# Altium PCB 10515.0462_全联供主板_V1.0.PcbDoc (part 1 of 5)
Units mm, origin at the board's own origin, x right, y up, seen from the top; angles counter-clockwise.
Board outline 141 x 198 mm, 2 copper layers (Top Layer, Bottom Layer); 179 components, 149 nets, 591 pads, 450 vias.
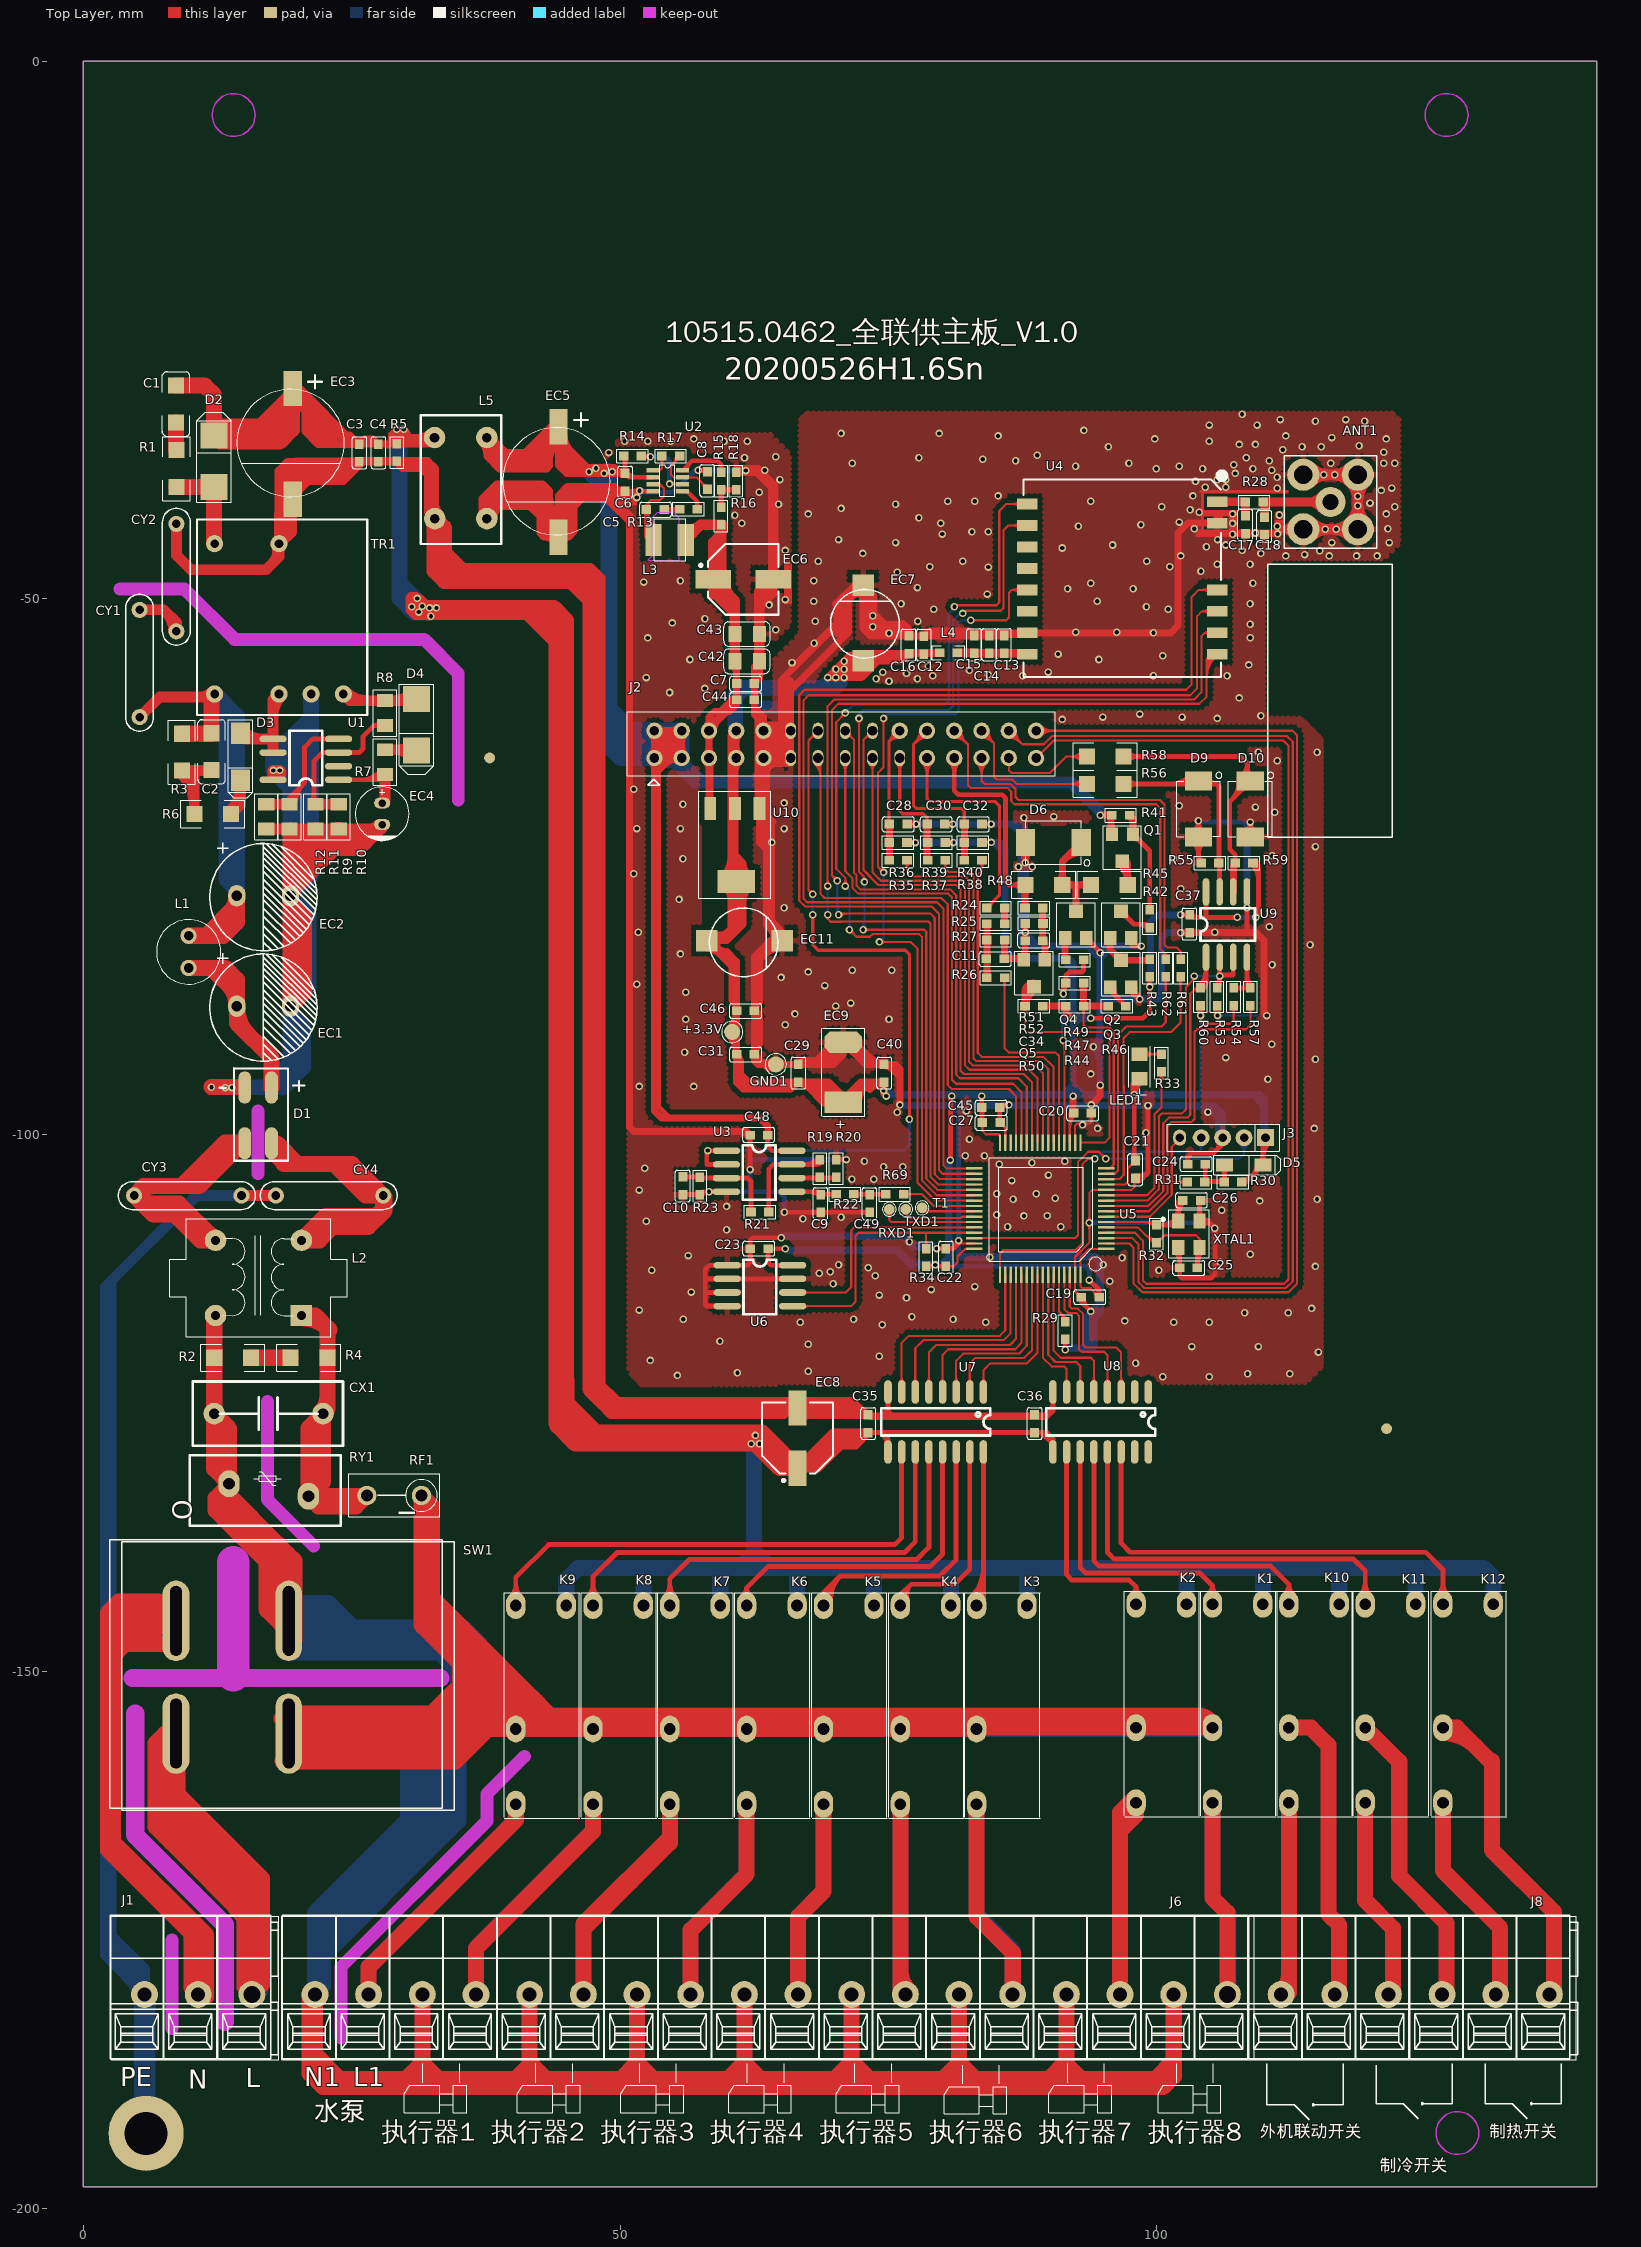
[diagram p0: Top Layer view]
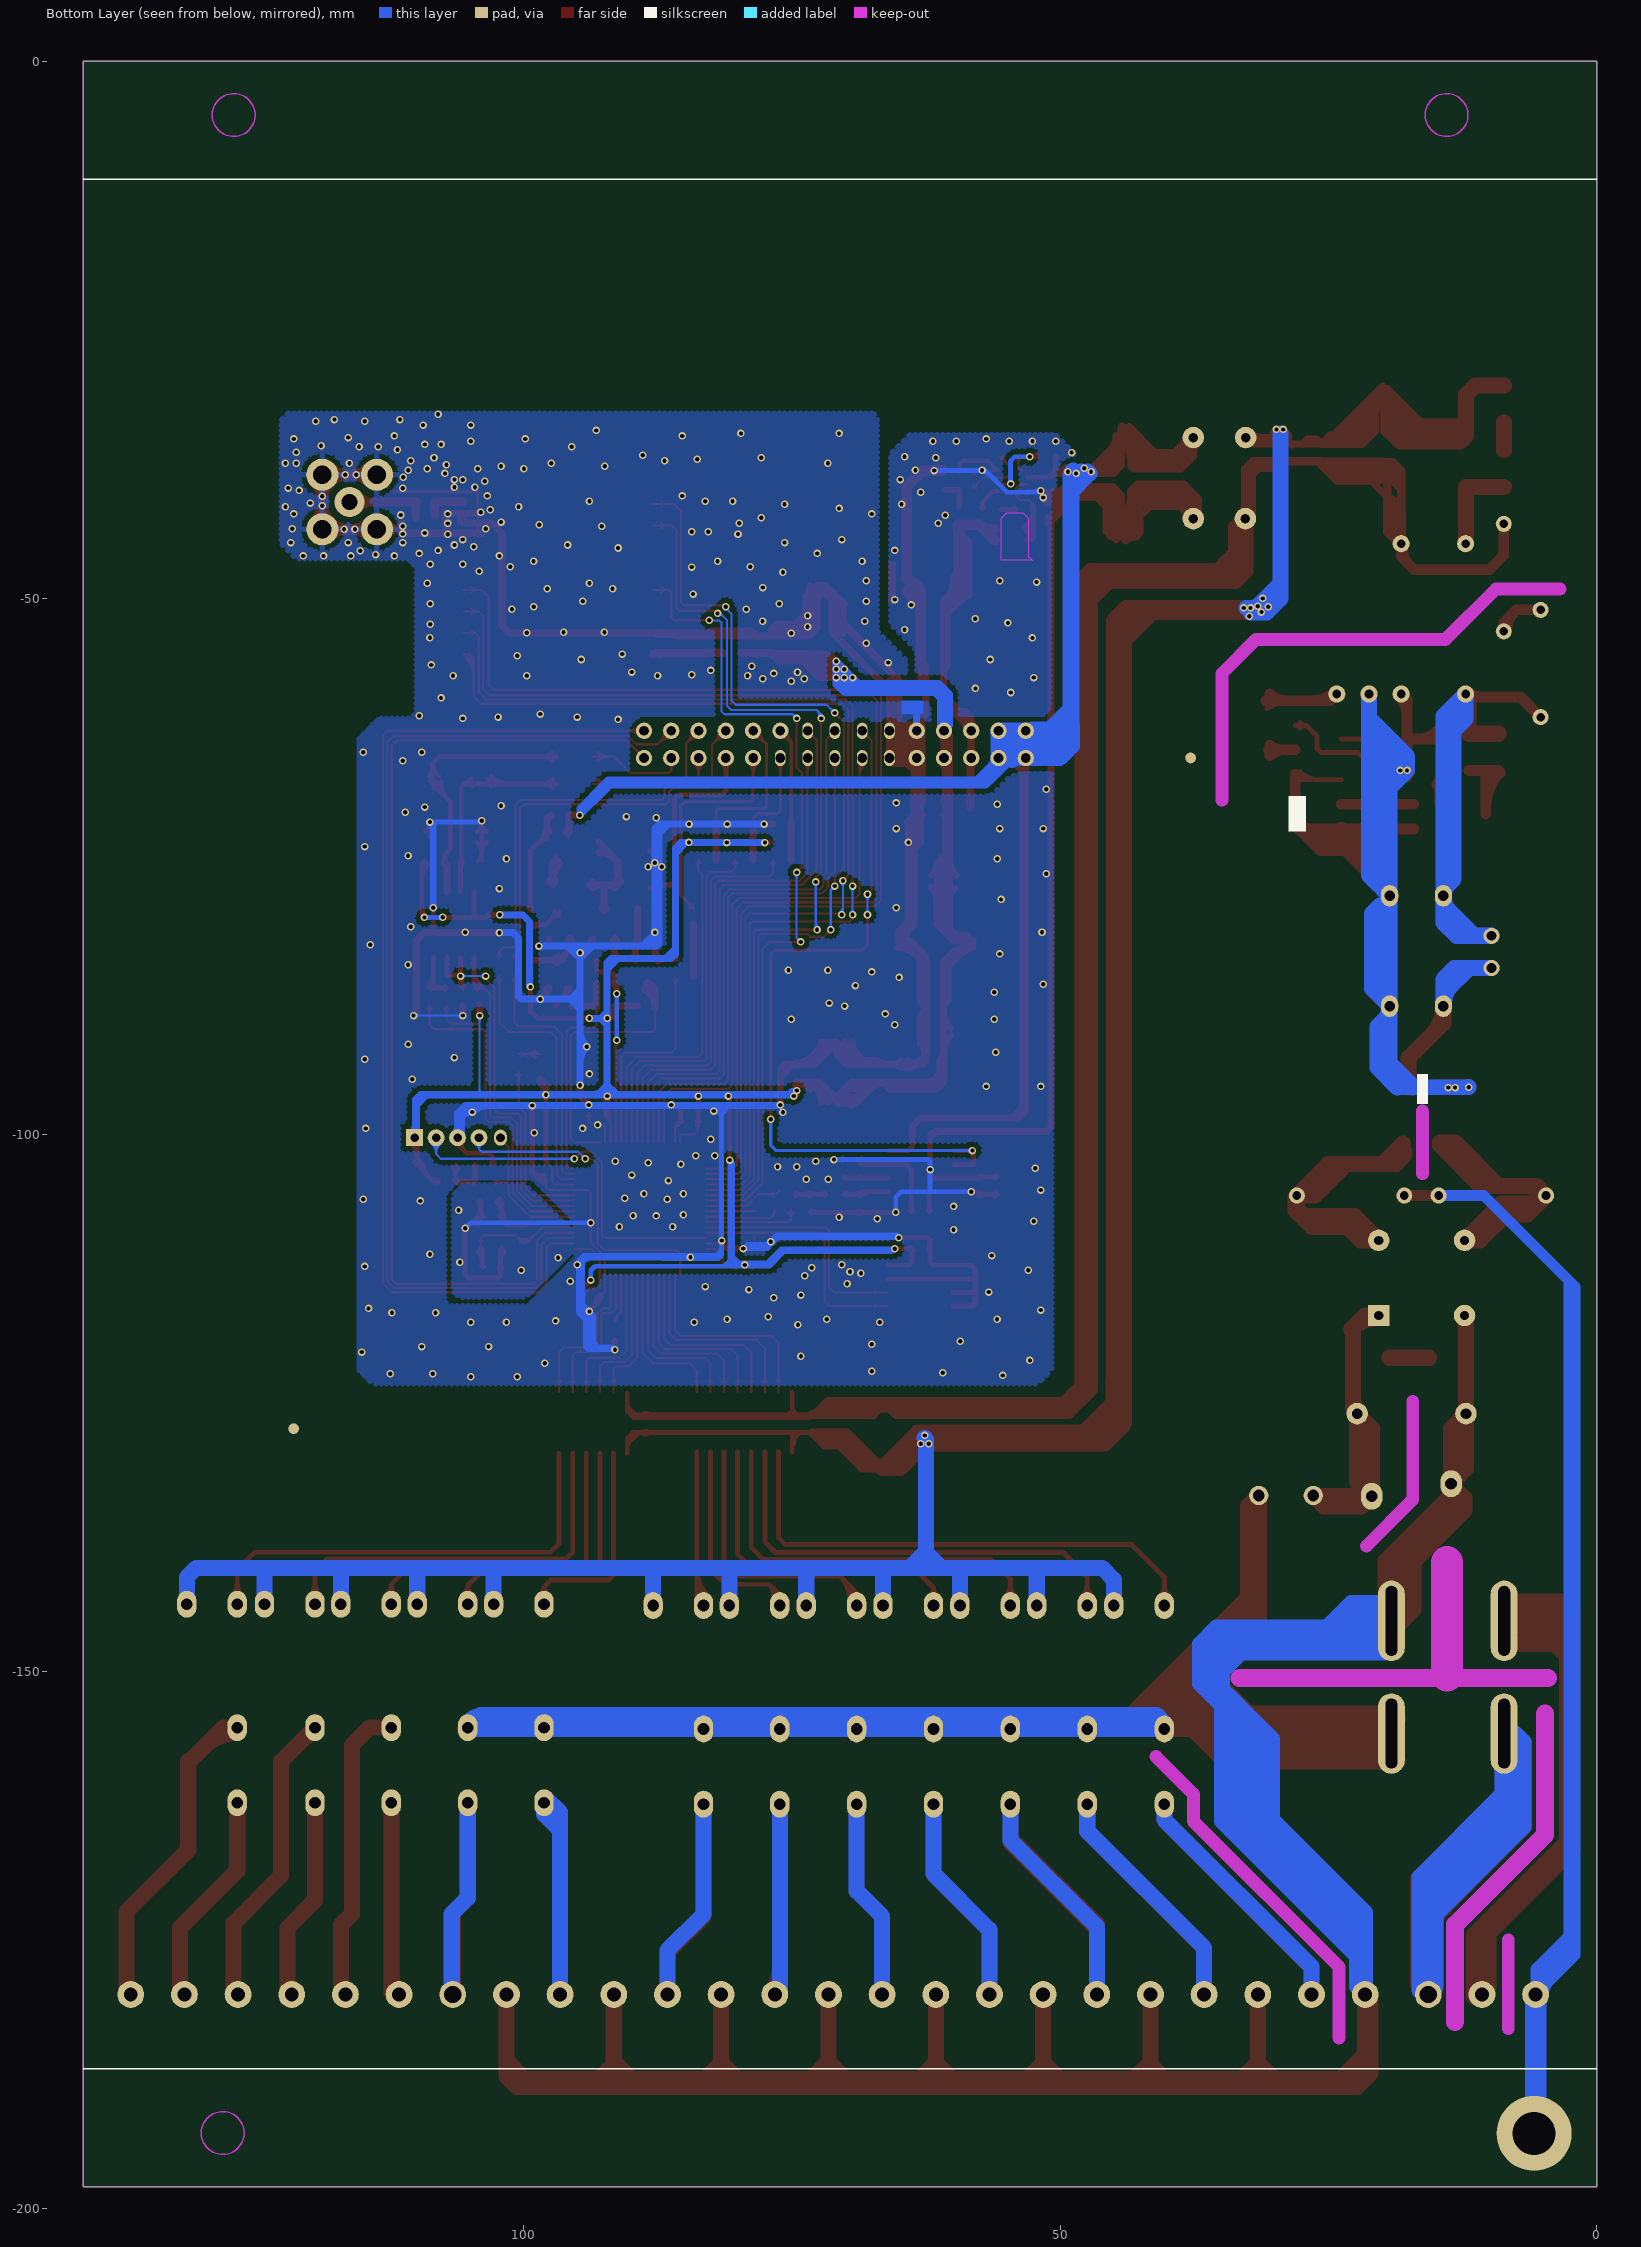
[diagram p1: Bottom Layer view, seen from below]
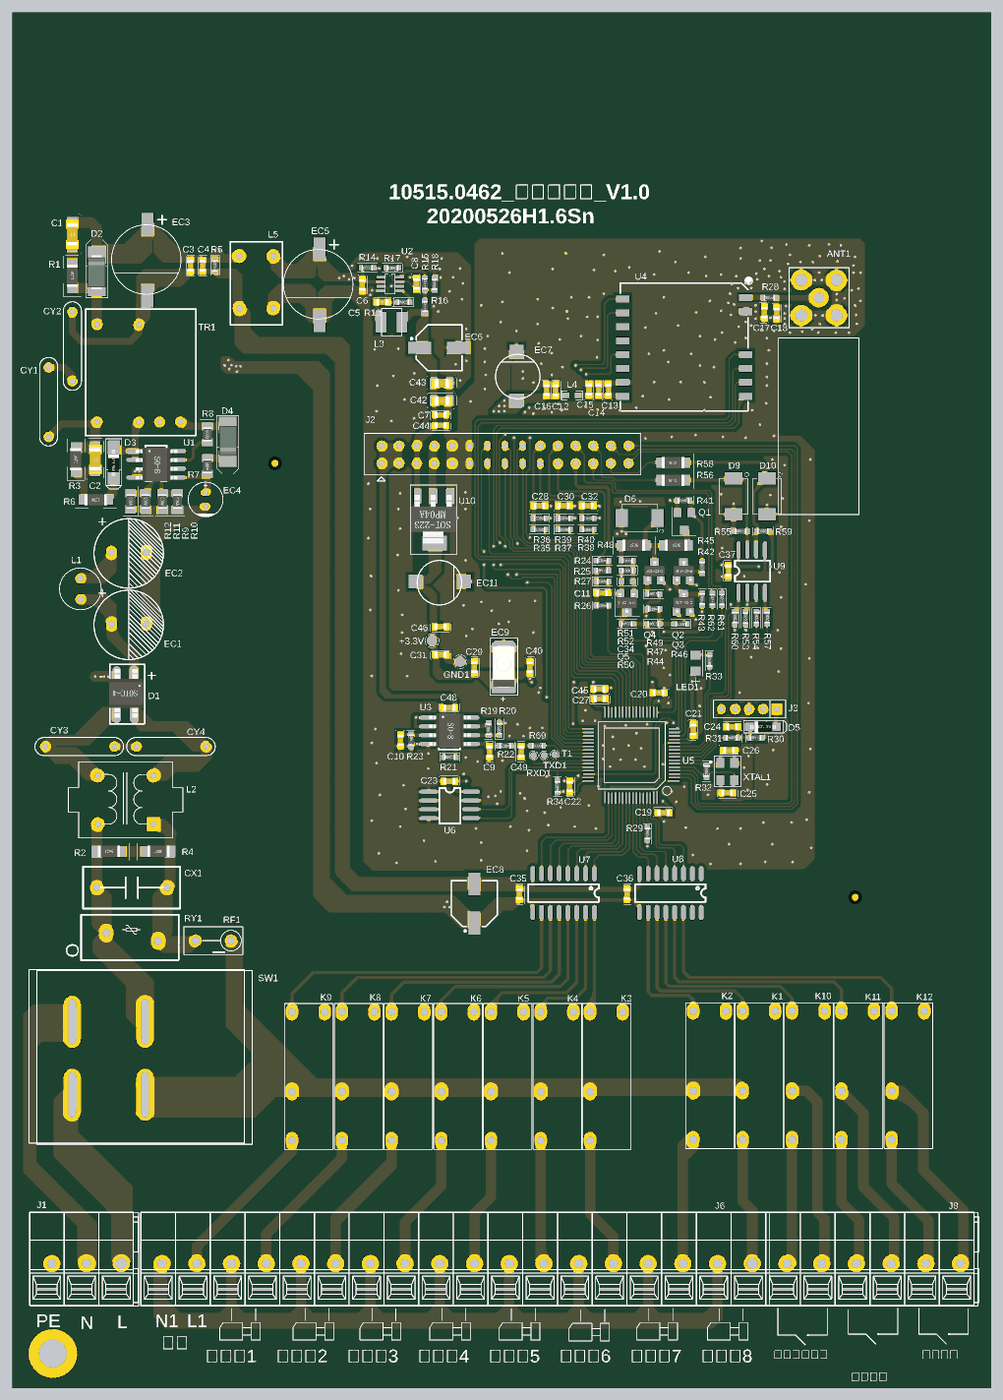
[diagram p6: 3D render of the assembled board from above, using the file's embedded part models]

## Layer stack, top to bottom
Top Layer: signal copper 0.0356
Dielectric: dielectric 0.32, FR-4, Dk 4.8
Bottom Layer: signal copper 0.0356

## Board outline
0,0 141,0 141,-198 0,-198 0,0

## Design rules (kind name [scope] priority, off if disabled: settings)
Clearance Clearance_1 [InPolygon] p1: gap=0.45
Clearance [All] p2: gap=0.2
HoleSize [All] p1 off: absolutevalues=TRUE maxlimit=2.54 minlimit=0.025 maxpercent=80.000 minpercent=20.000
HoleToHoleClearance [All] p1 off: gap=0.254 allowstackedmicrovias=TRUE
LayerPairs [All] p1 off: enforce=TRUE
MinimumSolderMaskSliver [All] p1 off: minsoldermaskwidth=0.254
NetAntennae [All] p1 off: netantennaetolerance=0
PolygonConnect PolygonConnect_1 [IsVia] p1: connectstyle=Direct reliefconductorwidth=0.254 reliefentries=4 polygonreliefangle="90 Angle"
PolygonConnect [All] p2: connectstyle=Relief reliefconductorwidth=0.5 reliefentries=4 polygonreliefangle="90 Angle"
RoutingVias [All] p1: holewidth=0.711 width=1.27 viastyle="Through Hole" minholewidth=0.711 minwidth=1.27 maxholewidth=0.711 maxwidth=1.27
SilkToSilkClearance [All] p1 off: silktosilkclearance=0.254
SilkscreenOverComponentPads [All] p1 off: minsilkscreentomaskgap=0.254
SolderMaskExpansion [All] p1: expansion=0.102
Width [All] p1: maxlimit=3 minlimit=0.2 preferedwidth=0.45
21 further rules are at their usual default settings.

## Classes and differential pairs
component class Rs485_Bus_Interface: C37 D8 D9 D10 R53 R54 R55 R56 R57 R58 R59 R60 U9
component class Relay_Out_Interface: C28 C35 EC8 J2 J6 J8 K1 K2 K3 K4 K5 K6 K7 K8 K9 K10 K11 K12 K? U7 U8
component class OneWireBus_Interface: C34 D6 Q1 Q2 Q3 Q4 Q5 R41 R42 R43 R44 R45 R46 R47 R48 R49 R50 R51 R52
component class Mcu_Control_Interface: +3.3V C19 C20 C21 C22 C23 C24 C25 C26 C27 C28 C30 C32 C40 D5 EC9 GND1 J3 LED1 LINKAGE_COOLB R29 R30 R31 R32 R33 R34 R35 R36 R37 R38 R39 R40 R61 R62 RXD1 T1 TXD1 U5 U6 XTAL1
component class LSD4RF_2F717N30_Interface: ANT1 C12 C13 C14 C15 C16 C17 C18 EC7 L3 R28 U3
component class DisPlay_Switch_Interface: C9 C10 C11 C48 C49 R19 R20 R21 R22 R23 R24 R25 R26 R27 R69 U3
component class "220V-12V Power_Interface": C1 C2 C3 C4 C5 C6 C7 C8 C29 C31 C42 C43 C44 C45 C46 CX1 CY1 CY2 CY3 CY4 D1 D2 D3 D4 EC1 EC2 EC3 EC4 EC5 EC6 EC11 J1 L1 L2 L3 L5 R1 R2 R3 R4 R5 R6 R7 R8 R9 R10 R11 R12 R13 R14 R15 R16 R17 R18 RF1 RY1 SW1 TR1 U1 U2 U10

## Components (designator, comment, footprint, x,y, rotation, side; value= is the part's Value field where it differs from the comment)
+3.3V "OTHER/TEST" TEST#1 60.452,-90.424 r90 top (schematic designator VCC1)
ANT1 "SMA座" SMA 116.194,-41.055 r180 top
C1 "1nF/630V" CAP/SMT/1206C 8.67,-33.666 r90 top
C2 "1nF/630V" CAP/SMT/1206C 11.972,-66.051 r90 top
C3 "1uF/0603" CAP/SMT/0603C 25.654,-35.687 r270 top
C4 "0.1uF/0603" CAP/SMT/0603C 27.432,-35.687 r270 top
C5 "0.1uF/0603" CAP/SMT/0603C 54.088,-41.695 r180 top
C6 "0.1uF/0603" CAP/SMT/0603C 50.405,-38.416 r270 top
C7 "0.1uF/0603" CAP/SMT/0603C 62.484,-57.912 r180 top
C8 "1nF/0603" CAP/SMT/0603C 58.202,-39.844 r90 top
C9 "10uF/0603" CAP/SMT/0603C 68.741,-107.199 r90 top
C10 "0.1uF/0603" CAP/SMT/0603C 55.914,-105.555 r90 top
C11 "0.1uF/0603" CAP/SMT/0603C 85.749,-83.55 r180 top
C12 "1uF/0603" CAP/SMT/0603C 78.232,-53.594 r270 top
C13 "0.1uF/0603" CAP/SMT/0603C 85.852,-55.118 r90 top
C14 "0.1uF/0603" CAP/SMT/0603C 84.455,-55.118 r90 top
C15 "1uF/0603" CAP/SMT/0603C 83.058,-55.118 r90 top
C16 "0.1uF/0603" CAP/SMT/0603C 76.962,-55.149 r90 top
C17 "NC" CAP/SMT/0603C 108.32,-43.976 r90 top
C18 "NC" CAP/SMT/0603C 110.098,-44.103 r90 top
C19 "0.1uF/0603" CAP/SMT/0603C 92.998,-115.2 r0 top
C20 "0.1uF/0603" CAP/SMT/0603C 93.887,-97.928 r180 top
C21 "0.1uF/0603" CAP/SMT/0603C 98.078,-104.024 r90 top
C22 "0.1uF/0603" CAP/SMT/0603C 80.298,-110.628 r270 top
C23 "0.1uF/0603" CAP/SMT/0603C 62.162,-110.678 r0 top
C24 "0.1uF/0603" CAP/SMT/0603C 102.897,-102.811 r0 top
C25 "20pF/0603" CAP/SMT/0603C 103.769,-112.333 r180 top
C26 "20pF/0603" CAP/SMT/0603C 102.466,-106.176 r0 top
C27 "0.1uF/0603" CAP/SMT/0603C 85.378,-98.817 r180 top
C28 "0.1uF/0603" CAP/SMT/0603C 76.712,-71.004 r180 top
C29 "0.1uF/0603" CAP/SMT/0603C 66.548,-93.472 r270 top
C30 "0.1uF/0603" CAP/SMT/0603C 80.227,-71.004 r180 top
C31 "0.1uF/0603" CAP/SMT/0603C 62.484,-92.456 r180 top
C32 "0.1uF/0603" CAP/SMT/0603C 83.697,-71.004 r180 top
C34 "51pF" CAP/SMT/0603C 87.775,-81.966 r0 top
C35 "0.1uF/0603" CAP/SMT/0603C 73.059,-126.122 r270 top
C36 "0.1uF/0603" CAP/SMT/0603C 88.553,-126.122 r270 top
C37 "0.1uF/0603" CAP/SMT/0603C 103.124,-81.145 r90 top
C40 "1uF/0603" CAP/SMT/0603C 74.549,-93.472 r270 top
C42 "22uF/0805" CAP/SMT/0805C 62.992,-55.88 r180 top
C43 "22uF/0805" CAP/SMT/0805C 62.992,-53.34 r180 top
C44 "0.1uF/0603" CAP/SMT/0603C 62.484,-59.436 r180 top
C45 "0.1uF/0603" CAP/SMT/0603C 85.344,-97.409 r180 top
C46 "0.1uF/0603" CAP/SMT/0603C 62.484,-88.392 r180 top
C48 "0.1uF/0603" CAP/SMT/0603C 62.137,-100.087 r0 top
C49 "10uF/0603" CAP/SMT/0603C 73.313,-107.199 r90 top
CX1 "NC" CAP/DIP/0.1uF/250V 12.192,-125.984 r180 top
CY1 "222M/250V" CAP/DIP/102M/250V 5.241,-61.098 r90 top
CY2 "222M/250V" CAP/DIP/102M/250V 8.67,-53.097 r90 top
CY3 "NC" CAP/DIP/102M/250V 14.732,-105.664 r180 top
CY4 "NC" CAP/DIP/102M/250V 27.94,-105.664 r180 top
D1 "MB10S" D/SMT/MD6S-TR 16.29,-98.055 r90 top
D2 "SS210" D/SMT/DO-214AC 12.226,-39.635 r270 top
D3 "1N4007-SOD123" D/SMT/SOD123 14.639,-67.194 r90 top
D4 "F7" D/SMT/DO-214AC 30.988,-59.436 r90 top
D5 "1N4148/SOD-123" D/SMT/SOD-123 108.104,-102.811 r180 top
D6 "SMAJ13CA" D/SMT/SMBJ4.0A 87.884,-72.517 r0 top
D9 "SMBJ6.5A/SOCAY" D/SMT/SMBJ4.0A 103.632,-72.136 r90 top
D10 "SMBJ6.5A/SOCAY" D/SMT/SMBJ4.0A 108.458,-72.136 r90 top
EC1 "8.2uF/400V" CAP/DIP/6.8UF/400V/10MM 16.798,-88.022 r270 top
EC2 "8.2uF/400V" CAP/DIP/6.8UF/400V/10MM 16.798,-77.735 r270 top
EC3 "330uF/50V" CAP/SMT/220UF/50V 24.511,-30.48 r270 top
EC4 "10uF/50V" CAP/DIP/10uF/50V 27.847,-69.099 r270 top
EC5 "220uF/50V" CAP/SMT/220UF/50V 49.276,-34.036 r270 top
EC6 "220uF/16V" CAP/SMT/220UF/16V 61.468,-48.26 r0 top
EC7 "330uF/6.3V" CAP/SMT/330UF/6.3V 72.644,-55.88 r90 top
EC8 "100uF/50V" CAP/SMT/220UF/16V 66.548,-128.27 r90 top
EC9 "TEC/47uF/10V" CAP/SMT/TAJC476M010RNJ 70.612,-97.028 r90 top
EC11 "100uF/25V" CAP/SMT/100UF/25V 58.42,-81.788 r0 top
GND1 "OTHER/TEST" TEST#1 64.516,-93.447 r270 top
J1 "WJ103-5.0" CON/DIP/1×3PIN/5.0MM/WJ103-3P 10.702,-180.097 r180 top
J2 "CON/DIP/2X15PIN" CON/DIP/2X15PIN/2.54MM 53.202,-64.908 r90 top
J3 "1X5PIN_2MM" CON/DIP/1×5PIN/2.0MM 110.136,-100.271 r180 top
J6 "WJ103-5.0" CON/DIP/1×18PIN/5.0MM/WJ103-18P 66.582,-180.097 r180 top
J8 "WJ103-5.0" CON/DIP/1×6PIN/5.0MM/WJ103-6P 124.084,-180.097 r180 top
K1 "HF46F/024-HS1T" RELAY/HF46F-012-HSIT 109.889,-143.738 r0 top
K2 "HF46F/024-HS1T" RELAY/HF46F-012-HSIT 102.777,-143.738 r0 top
K3 "HF46F/024-HS1T" RELAY/HF46F-012-HSIT 87.918,-143.865 r0 top
K4 "HF46F/024-HS1T" RELAY/HF46F-012-HSIT 80.816,-143.865 r0 top
K5 "HF46F/024-HS1T" RELAY/HF46F-012-HSIT 73.656,-143.865 r0 top
K6 "HF46F/024-HS1T" RELAY/HF46F-012-HSIT 66.496,-143.865 r0 top
K7 "HF46F/024-HS1T" RELAY/HF46F-012-HSIT 59.337,-143.865 r0 top
K8 "HF46F/024-HS1T" RELAY/HF46F-012-HSIT 52.177,-143.865 r0 top
K9 "HF46F/024-HS1T" RELAY/HF46F-012-HSIT 44.992,-143.865 r0 top
K10 "HF46F/024-HS1T" RELAY/HF46F-012-HSIT 117.008,-143.738 r0 top
K11 "HF46F/024-HS1T" RELAY/HF46F-012-HSIT 124.12,-143.738 r0 top
K12 "HF46F/024-HS1T" RELAY/HF46F-012-HSIT 131.359,-143.738 r0 top
L1 "1mH" L/DIP/1mH 9.813,-84.466 r90 top
L2 "20mH/UU9.8" L/DIP/20mH/UU9.8 20.32,-116.84 r180 top
L3 "10UH" L/SMT/SWPA3015S150MT 52.945,-44.639 r0 top
L4 "L/10uH" L/SMT/0603L 81.407,-55.118 r180 top
L5 "100uH_共模电感" L/DIP/500uH 37.592,-35.052 r270 top
LED1 "BL-HG635A-TRB高亮绿" D/SMT/LED/0805 98.552,-92.456 r270 top
Q1 "BC807" BJT/SMT/SOT-23 97.79,-72.009 r180 top
Q2 "NPN_SS8050" BJT/SMT/SOT-23 95.665,-81.672 r0 top
Q3 "NPN_SS8050" BJT/SMT/SOT-23 95.665,-86.244 r0 top
Q4 "NPN_SS8050" BJT/SMT/SOT-23 91.474,-81.672 r0 top
Q5 "NPN_SS8050" BJT/SMT/SOT-23 89.569,-83.704 r180 top
R1 "47R/1206" 1206R 8.67,-39.635 r90 top
R2 "NC" 1206R 12.212,-120.777 r0 top
R3 "180K/5%/1206" 1206R 9.178,-66.051 r90 top
R4 "NC" 1206R 19.324,-120.777 r0 top
R5 "6.8K/0603" 0603R 29.21,-36.449 r90 top
R6 "100R/1206" 1206R 13.75,-70.115 r180 top
R7 "10R/0805" 0805R 28.101,-66.432 r90 top
R8 "20K/0805" 0805R 28.101,-61.86 r90 top
R9 "3.6K/0805" 0805R 21.624,-71.512 r90 top
R10 "NC" 0805R 23.783,-71.512 r90 top
R11 "1.8R/0805" 0805R 19.211,-71.512 r90 top
R12 "1.8R/0805" 0805R 17.052,-71.512 r90 top
R13 "20R/0603" 0603R 56.374,-41.718 r0 top
R14 "100K/0603" 0603R 51.167,-36.765 r0 top
R15 "51K/0603" 0603R 59.422,-39.092 r270 top
R16 "39K/0603" 0603R 59.422,-42.353 r270 top
R17 "100K/0603" 0603R 54.723,-36.765 r180 top
R18 "12K/0603" 0603R 60.819,-39.092 r90 top
R19 "100K/0603" 0603R 68.614,-103.135 r90 top
R20 "33K/0603" 0603R 70.138,-103.135 r270 top
R21 "100R/0603" 0603R 63.026,-107.199 r0 top
R22 "1K/0603" 0603R 70.963,-105.548 r180 top
R23 "100K/0603" 0603R 57.438,-104.786 r270 top
R24 "10K/0603" 0603R 84.997,-78.878 r180 top
R25 "10K/0603" 0603R 84.997,-80.332 r0 top
R26 "430R/0603" 0603R 84.997,-85.37 r180 top
R27 "10K/0603" 0603R 84.997,-81.856 r180 top
R28 "0R/0603" 0603R 109.082,-41.055 r0 top
R29 "10K/0603" 0603R 91.474,-118.248 r270 top
R30 "10K/0603" 0603R 107.095,-104.405 r0 top
R31 "430R/0603" 0603R 103.659,-104.405 r0 top
R32 "NC" 0603R 99.983,-109.231 r270 top
R33 "1K/0603" 0603R 100.437,-93.319 r90 top
R34 "10K/0603" 0603R 78.52,-111.431 r90 top
R35 "430R/0603" 0603R 75.909,-74.433 r180 top
R36 "10K/0603" 0603R 75.909,-72.782 r180 top
R37 "430R/0603" 0603R 79.472,-74.433 r180 top
R38 "430R/0603" 0603R 82.894,-74.433 r180 top
R39 "10K/0603" 0603R 79.472,-72.782 r180 top
R40 "10K/0603" 0603R 82.894,-72.782 r180 top
R41 "10K/0603" 0603R 96.647,-70.231 r180 top
R42 "10K/0603" 0603R 99.348,-79.883 r270 top
R43 "10K/0603" 0603R 99.348,-84.466 r270 top
R44 "10K/0603" 0603R 92.363,-88.022 r0 top
R45 "220R/5%/1206" 1206R 93.887,-76.719 r0 top
R46 "10K/0603" 0603R 96.3,-88.022 r180 top
R47 "10K/0603" 0603R 92.363,-85.863 r180 top
R48 "220R/5%/1206" 1206R 87.791,-76.719 r0 top
R49 "1K/0603" 0603R 92.363,-83.704 r0 top
R50 "10K/0603" 0603R 88.553,-88.022 r0 top
R51 "10K/0603" 0603R 88.553,-78.878 r180 top
R52 "1K/0603" 0603R 88.577,-80.315 r180 top
R53 "10K/0603" 0603R 104.078,-87.152 r270 top
R54 "10K/0603" 0603R 107.175,-87.152 r270 top
R55 "10K/0603" 0603R 104.967,-74.68 r0 top
R56 "10R/5%/1206" 1206R 96.901,-67.31 r180 top
R57 "100R/0603" 0603R 108.723,-87.152 r270 top
R58 "10R/5%/1206" 1206R 96.901,-64.77 r180 top
R59 "10K/0603" 0603R 108.142,-74.68 r0 top
R60 "10K/0603" 0603R 105.627,-87.152 r90 top
R61 "100R/0603" 0603R 102.235,-84.466 r90 top
R62 "100R/0603" 0603R 100.838,-84.466 r90 top
R69 "1K/0603" 0603R 75.599,-105.548 r180 top
RF1 "100R/2W" FUSE/3.15A 26.416,-133.604 r0 top
RXD1 "OTHER/TEST" TEST#2 75.091,-106.945 r270 top
RY1 "TDK471KD14" RES/RY/TDK471KD14 17.272,-133.096 r0 top
SW1 "船型开关" "DIP4 - DUPLICATE" 8.636,-145.288 r270 top
T1 "OTHER/TEST" TEST#2 78.139,-106.818 r180 top
TR1 "PN8370 24V 0.4A" "L/TRANS/DIP/PN8370 24V 0.4A" 12.226,-58.939 r90 top
TXD1 "OTHER/TEST" TEST#2 76.615,-106.945 r270 top
U1 "PN8370" SOP-7 21.116,-64.527 r180 top
U2 "MP9942/SOT23-8" TSOT-8 53.079,-38.105 r0 top
U3 "LM358" SOIC-8 59.908,-101.491 r0 top
U4 "LSD4RF-2F717N30" MODEL/LSD4RF-2F717N30 96.774,-48.133 r270 top
U5 "STM32F030RCT6/LQFP64" LQFP64 95.1,-110.621 r180 top locked
U6 "M24512-RMN6TP" SOP-8 59.978,-112.152 r0 top
U7 "ULN2003ADR" SOP-16 83.854,-123.963 r270 top
U8 "ULN2003ADR" SOP-16 99.221,-123.963 r270 top
U9 "SP3485" SOP-8 104.586,-83.469 r90 top
U10 "SPX1117" SOT-223 62.992,-69.596 r180 top
XTAL1 "OSC 12MHZ" OSC/SMT/12M 101.991,-108.015 r0 top
